# KiCad board Nanopipets.kicad_pcb (continued)
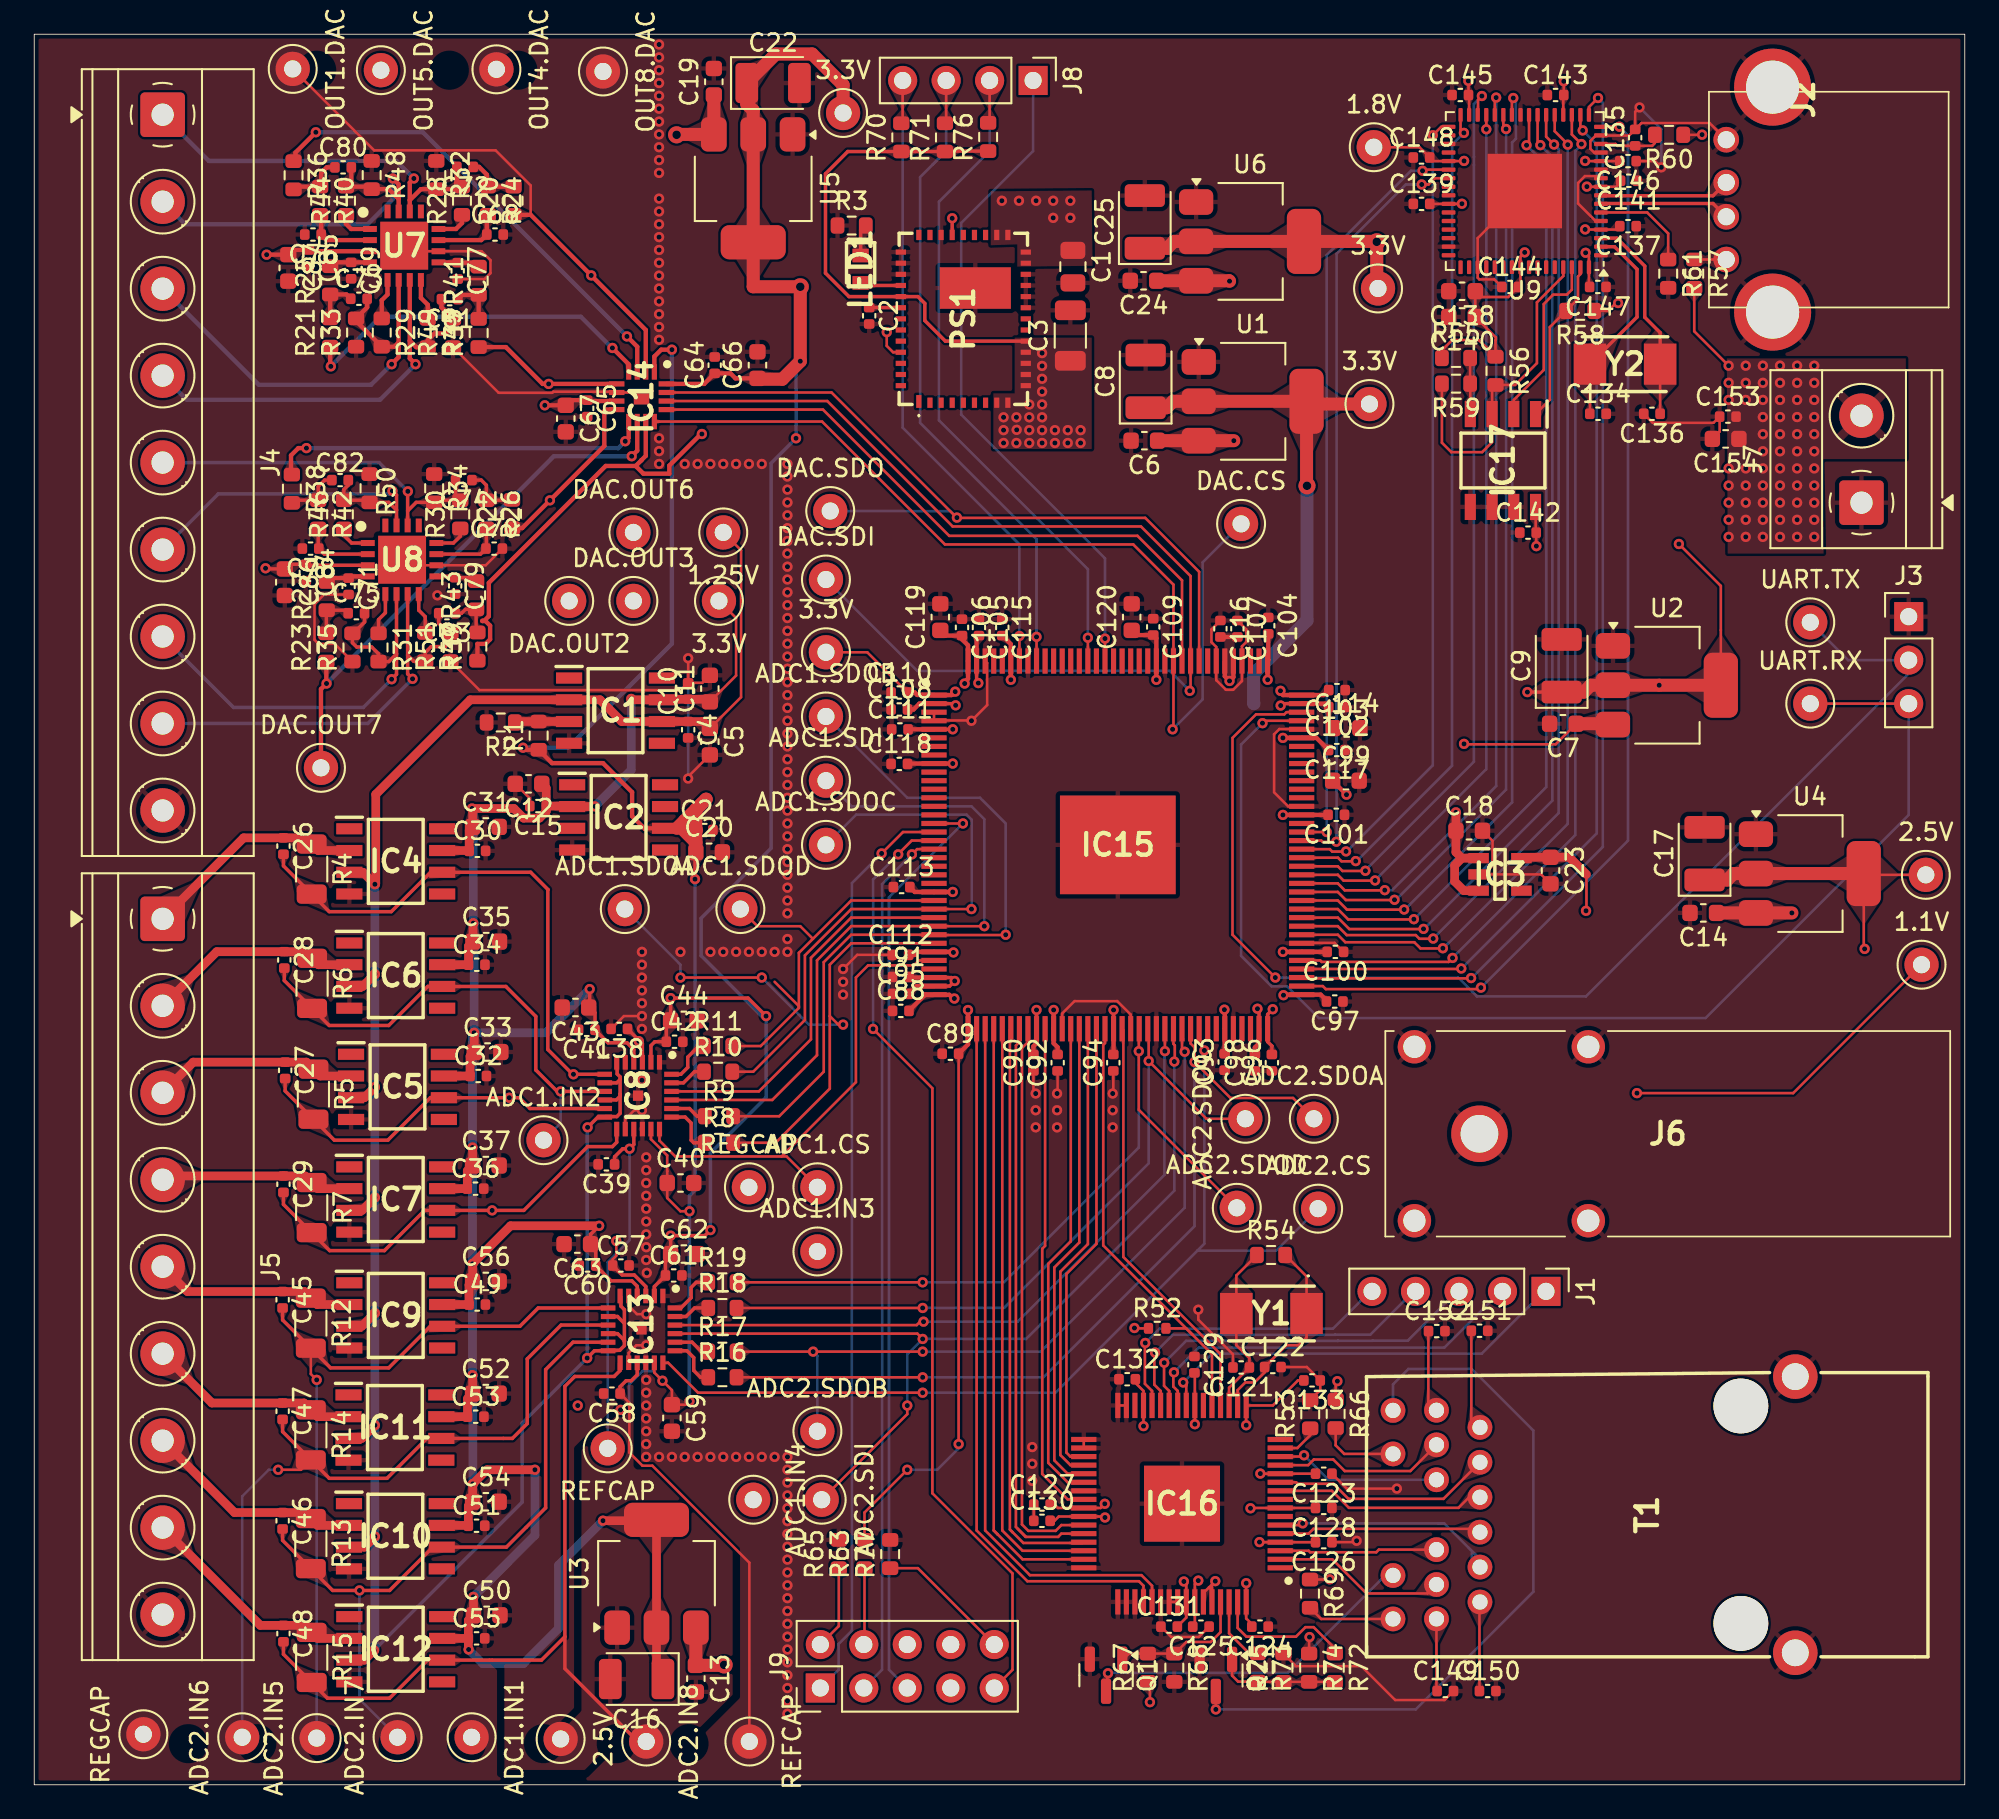
[diagram p0: board, top side]
## Placement (name value [footprint] x y rotation side) (continued)

## Library data of the parts
1.1V 1.8V 1.25V 2.5V 2.5V#2 3.3V 3.3V#2-3.3V#5 ADC1.CS ADC1.IN1-ADC1.IN4 ADC1.SDI ADC1.SDOA ADC1.SDOB ADC1.SDOC ADC1.SDOD ADC2.CS ADC2.IN5-ADC2.IN8 ADC2.SDI ADC2.SDOA ADC2.SDOB ADC2.SDOC ADC2.SDOD DAC.CS DAC.OUT2 DAC.OUT3 DAC.OUT6 DAC.OUT7 DAC.SDI DAC.SDO OUT1.DAC OUT4.DAC OUT5.DAC OUT8.DAC REFCAP REFCAP#2 REGCAP REGCAP#2 UART.RX UART.TX = -: Description: test point; ki_fp_filters: Pin* Test*
C1-C5 C10-C12 C15 C18 C20 C21 C23 C26-C87 C99 C114 C119-C122 C134-C136 C149-C152 = -: Description: Unpolarized capacitor; ki_fp_filters: C_*
C6 C7 C13 C14 C19 C24 = -: ki_fp_filters: C_*
C8 C9 C16 C17 C22 C25 = -: ki_fp_filters: CP_*
C88-C98 C100-C113 C115-C118 C123-C133 C137 C139 C141-C148 C153 = -: Fab Reference: GPC0603225-10-X7R; Footprint Revised: Yes; ki_fp_filters: C_*
C138 C140 C154 = -: Description: Polarized capacitor; ki_fp_filters: CP_*
IC1 IC4-IC7 IC9-IC12 = -: Datasheet: http://www.ti.com/lit/gpn/OPA827; Description: Low-Noise, High-Precision, JFET-Input Operational Amplifier; Height: 1.75; Manufacturer_Name: Texas Instruments; Mouser Part Number: 595-OPA827AIDR; Mouser Price/Stock: https://www.mouser.co.uk/ProductDetail/Texas-Instruments/OPA827AIDR?qs=ToK3%2FczOkx%252BfLFxatAoUKw%3D%3D; Arrow Price/Stock: https://www.arrow.com/en/products/opa827aidr/texas-instruments?region=nac
IC2 = -: Datasheet: https://www.analog.com/ADR4525/datasheet; Description: Maximum temperature coefficient (TCVOUT):  0.8 ppm/C (D grade 0C to 70C)  1 ppm/C (C grade 0C to 70C)  2 ppm/C (B grade 40C to +125C)  4 ppm/C (A grade 40C to +125C)  Output noise (0.1 Hz to 10 Hz):  1 uV p-p at VOUT of 2.048 V typical  Initial output voltage error:  B, C, D grade: +/-0.02% (maximum)  Input voltage range: 3 V to 15 V  Operating temperature:  A grade and B grade: 40C to +125C  C grade and D grade: 0C to +70C  Output current: +10 mA source/10 mA s; Height: 1.75; Manufacturer_Name: Analog Devices; Mouser Part Number: 584-ADR4525ARZ-R7; Mouser Price/Stock: https://www.mouser.co.uk/ProductDetail/Analog-Devices/ADR4525ARZ-R7?qs=WIvQP4zGanhcG5ZX%2FIaJAA%3D%3D; Arrow Price/Stock: https://www.arrow.com/en/products/adr4525arz-r7/analog-devices?utm_currency=USD&region=nac
IC3 = -: Datasheet: http://www.ti.com/lit/gpn/tlv703; Description: 300mA Low-IQ Low-Dropout (LDO) Regulator; Height: 1.45; Manufacturer_Name: Texas Instruments; Mouser Part Number: 595-TLV70311DBVR; Mouser Price/Stock: https://www.mouser.co.uk/ProductDetail/Texas-Instruments/TLV70311DBVR?qs=YCa%2FAAYMW01QIBcdppGpKA%3D%3D; Arrow Price/Stock: https://www.arrow.com/en/products/tlv70311dbvr/texas-instruments?region=nac
IC8 IC13 = -: Datasheet: https://www.analog.com/media/en/technical-documentation/data-sheets/ad7383-4-ad7384-4.pdf; Height: 0.6; Manufacturer_Name: Analog Devices; Mouser Part Number: 584-AD7383-4BCPZ; Mouser Price/Stock: https://www.mouser.co.uk/ProductDetail/Analog-Devices/AD7383-4BCPZ?qs=ulEaXIWI0c%252BXVIfh9KuC9g%3D%3D
IC14 = -: Datasheet: http://www.ti.com/lit/gpn/DAC80508; Height: 0.8; Manufacturer_Name: Texas Instruments; Mouser Part Number: 595-DAC80508ZCRTET; Mouser Price/Stock: https://www.mouser.co.uk/ProductDetail/Texas-Instruments/DAC80508ZCRTET?qs=lc2O%252BfHJPVb9t9ZIemdRSA%3D%3D; Arrow Price/Stock: https://www.arrow.com/en/products/dac80508zcrtet/texas-instruments?utm_currency=USD&region=nac
IC15 = -: Datasheet: https://www.intel.com/content/dam/www/programmable/us/en/pdfs/literature/dp/max-10/10m50sc.pdf; Height: 1.65; Manufacturer_Name: Intel; Mouser Part Number: 989-10M50SCE144C8G; Mouser Price/Stock: https://www.mouser.co.uk/ProductDetail/Intel-Altera/10M50SCE144C8G?qs=G%2FX6g08h60s2ThCT%2Fg69Zw%3D%3D; Arrow Price/Stock: https://www.arrow.com/en/products/10m50sce144c8g/intel
IC16 = -: Datasheet: http://www.ti.com/general/docs/lit/getliterature.tsp?genericPartNumber=DP83867IR&amp;&amp;fileType=pdf; Description: TEXAS INSTRUMENTS - DEL-DP83867IRPAPT - \u82AF\u7247, \u4EE5\u592A\u7F51\u63A7\u5236\u5668, 1GBPS, HTQFP-64; Height: 1.2; Manufacturer_Name: Texas Instruments
IC17 = -: Datasheet: http://www.st.com/st-web-ui/static/active/en/resource/technical/document/datasheet/CD00001142.pdf; Description: M93C46-WMN6TP, Serial EEPROM Memory 1kbit, Serial-Microwire, 200ns 2.5  5.5 V, 8-Pin SOIC; Height: 1.75; Manufacturer_Name: STMicroelectronics; Mouser Part Number: 511-M93C46-WMN6TP; Mouser Price/Stock: https://www.mouser.co.uk/ProductDetail/STMicroelectronics/M93C46-WMN6TP?qs=O4M3kN6RNVArPY6XuNLEiw%3D%3D; Arrow Price/Stock: https://www.arrow.com/en/products/m93c46-wmn6tp/stmicroelectronics?region=europe
J1 = -: Description: Generic connector, single row, 01x05, script generated; ki_fp_filters: Connector*:*_1x??_*
J2 = -: Description: USB Type A connector
J3 = -: Description: Generic connector, single row, 01x03, script generated; ki_fp_filters: Connector*:*_1x??_*
J4 J5 = -: Description: Generic screw terminal, single row, 01x09, script generated (kicad-library-utils/schlib/autogen/connector/); ki_fp_filters: TerminalBlock*:*
J6 = -: Datasheet: http://assets.edgenet.com/bc247afe-c6d3-4b5e-af4b-80e7f9cda64b; Description: Test Plugs & Test Jacks RT ANG 4mm MOUNTING SAFETY JACK PCB BLK; Height: 11.5; Manufacturer_Name: Pomona Electronics; Mouser Part Number: 565-73099-0; Mouser Price/Stock: https://www.mouser.co.uk/ProductDetail/Pomona-Electronics/73099-0?qs=B6kkDfuK7%2FDgwxUVoyhL3Q%3D%3D; Arrow Price/Stock: https://www.arrow.com/en/products/73099-0/pomona-electronics?region=nac
J7 = -: Description: Generic screw terminal, single row, 01x02, script generated (kicad-library-utils/schlib/autogen/connector/); ki_fp_filters: TerminalBlock*:*
J8 = -: Description: Generic connector, single row, 01x04, script generated; ki_fp_filters: USB*
J9 = -: Description: Generic connector, double row, 02x05, odd/even pin numbering scheme (row 1 odd numbers, row 2 even numbers), script generated (kicad-library-utils/schlib/autogen/connector/); ki_fp_filters: Connector*:*_2x??_*
LED1 = -: Datasheet: https://www.mouser.co.il/datasheet/2/216/APT1608SGC-32861.pdf; Height: 0.85; Manufacturer_Name: Kingbright; Mouser Part Number: 604-APT1608SGC; Mouser Price/Stock: https://www.mouser.co.uk/ProductDetail/Kingbright/APT1608SGC?qs=JpELLRhtMc0UatanJWL9tA%3D%3D; Arrow Price/Stock: https://www.arrow.com/en/products/apt1608sgc/kingbright?region=nac
PS1 = -: Datasheet: https://media.digikey.com/pdf/Data%20Sheets/Enpirion%20PDFs/en5335qi_00846.pdf; Description: Non-Isolated PoL Module DC DC Converter 1 Output 0.8 ~ 3.3V - - 3A 2.375V - 6.6V Input; Height: 1.95; Manufacturer_Name: Intel; Mouser Part Number: 884-EN5335QI; Mouser Price/Stock: https://www.mouser.co.uk/ProductDetail/Intel-Altera/EN5335QI?qs=rXqtSHp76q5fnGzzjaXI0Q%3D%3D
Q1 Q2 = -: Datasheet: https://www.onsemi.com/pdf/datasheet/pzt3904-d.pdf; Description: 0.2A Ic, 40V Vce, Small Signal NPN Transistor, SOT-23; ki_fp_filters: SOT?23*
R1-R52 R54 R57 R63 R65-R69 R72-R75 R77 = -: Description: Resistor; ki_fp_filters: R_*
R53 R55 R56 R58-R61 = -: Description: Resistor; tol: 1%; ki_fp_filters: R_*
R70 R71 R76 = -: ki_fp_filters: R_*
T1 = -: MF: Würth Elektronik; Description_1: 1 Port RJ45Through Hole 10/100/1000 Base-T, AutoMDIX; Package: None; Price: None; SnapEDA_Link: https://www.snapeda.com/parts/7499111221A/W%25C3%25BCrth+Elektronik+Midcom/view-part/?ref=snap; MP: 7499111221A; Availability: In Stock; Check_prices: https://www.snapeda.com/parts/7499111221A/W%25C3%25BCrth+Elektronik+Midcom/view-part/?ref=eda
U1 U3 U5 U6 = -: Datasheet: http://www.advanced-monolithic.com/pdf/ds1117.pdf; ki_fp_filters: SOT?223*TabPin2*
U2 = -: Datasheet: http://www.advanced-monolithic.com/pdf/ds1117.pdf; Description: 1A Low Dropout regulator, positive, 1.8V fixed output, SOT-223; ki_fp_filters: SOIC*3.9x8.7mm*P1.27mm*
U4 = -: Datasheet: http://www.advanced-monolithic.com/pdf/ds1117.pdf; Description: 1A Low Dropout regulator, positive, 2.5V fixed output, SOT-223; ki_fp_filters: SOIC*3.9x8.7mm*P1.27mm*
U7 U8 = -: Description: Precision Amplifiers Zero-drift (10uV, 0.001uV/C), MUX-friendly, low-noise, RRO, CMOS quad precision op amp (quad); ki_fp_filters: SOIC*3.9x8.7mm*P1.27mm*
U9 = -: Datasheet: https://www.ftdichip.com/Support/Documents/DataSheets/ICs/DS_FT2232H.pdf; Description: Hi Speed Double Channel USB UART/FIFO, QFN-64; ki_fp_filters: QFN*1EP*9x9mm*P0.5mm*
Y1 Y2 = -: Description: Two pin crystal; ki_fp_filters: Crystal*

## Footprints (pads in the part's own frame, mm; a bottom-side part is the same pattern mirrored in y, then rotated)
730990
  round 1.95 hole 1.3: 1(0,0) 2(0,-10.16) 3(10.16,-10.16) 4(10.16,0)
  round 3.3 hole 2.2: 5(3.8,-5.08)
7499111221A
  round 3.2 hole 3.2 unplated: (-11.45,-15.24) (1.25,-15.24)
  round 1.446 hole 0.89: 1(0,0) 2(-2.04,0) 3(-4.08,0) 4(-6.12,0) 5(-8.16,0) 6(-10.2,0) 7(1,2.54) 8(-1.02,2.54) 9(-3.06,2.54) 10(-7.14,2.54) 11(-9.18,2.54) 12(-11.185,2.54) 13(0.99,5.08) 14(-1.55,5.08) 15(-8.65,5.08) 16(-11.19,5.08)
  round 2.6 hole 1.57: 17(2.965,-18.42) 18(-13.165,-18.42)
ABM3
  rect 1.9x2.4 smd: 1(-2.05,0) 2(2.05,0)
C_0402_1005Metric
  rrect 0.56x0.62 smd: 1(-0.48,0) 2(0.48,0)
C_0603_1608Metric
  rrect 0.9x0.95 smd: 1(-0.775,0) 2(0.775,0)
C_0805_2012Metric
  rrect 1x1.45 smd: 1(-0.95,0) 2(0.95,0)
C_1206_3216Metric
  rrect 1.15x1.8 smd: 1(-1.475,0) 2(1.475,0)
CP_EIA-3528-21_Kemet-B
  rrect 1.325x2.35 smd: 1(-1.538,0) 2(1.538,0)
EN5335QI
  rect 0.75x0.3 smd: 1(-4.825,2.6)
  rect 0.6x0.3 smd: 2(-4.9,1.95) 3(-4.9,1.3) 4(-4.9,0.65) 5(-4.9,0) 6(-4.9,-0.65) 7(-4.9,-1.3) 8(-4.9,-1.95) 9(-4.9,-2.6) 23(4.9,-2.6) 24(4.9,-1.95) 25(4.9,-1.3) 26(4.9,-0.65) 27(4.9,0) 28(4.9,0.65) 29(4.9,1.3) 30(4.9,1.95) 31(4.9,2.6)
  rect 0.3x0.6 smd: 10(-3.9,-3.65) 11(-3.25,-3.65) 12(-2.6,-3.65) 13(-1.95,-3.65) 14(-1.3,-3.65) 15(-0.65,-3.65) 16(0,-3.65) 17(0.65,-3.65) 18(1.3,-3.65) 19(1.95,-3.65) 20(2.6,-3.65) 21(3.25,-3.65) 22(3.9,-3.65) 32(3.9,3.65) 33(3.25,3.65) 34(2.6,3.65) 35(1.95,3.65) 36(1.3,3.65) 37(0.65,3.65) 38(0,3.65) 39(-0.65,3.65) 40(-1.3,3.65) 41(-1.95,3.65) 42(-2.6,3.65) 43(-3.25,3.65) 44(-3.9,3.65)
  rect 2.425x4.15 smd: 45(1.8,-0.7)
LEDC1608X85N
  rect 0.8x0.95 smd: 1(-0.8,0) 2(0.8,0)
PinHeader_1x03_P2.54mm_Vertical
  rect 1.7x1.7 hole 1: 1(0,0)
  round 1.7 hole 1: 2(0,-2.54) 3(0,-5.08)
PinHeader_1x04_P2.54mm_Vertical
  rect 1.7x1.7 hole 1: 1(0,0)
  oval 1.7x1.7 hole 1: 2(0,-2.54) 3(0,-5.08) 4(0,-7.62)
PinHeader_1x05_P2.54mm_Vertical
  rect 1.7x1.7 hole 1: 1(0,0)
  oval 1.7x1.7 hole 1: 2(0,-2.54) 3(0,-5.08) 4(0,-7.62) 5(0,-10.16)
PinHeader_2x05_P2.54mm_Vertical
  rect 1.7x1.7 hole 1: 1(0,0)
  round 1.7 hole 1: 2(2.54,0) 3(0,-2.54) 4(2.54,-2.54) 5(0,-5.08) 6(2.54,-5.08) 7(0,-7.62) 8(2.54,-7.62) 9(0,-10.16) 10(2.54,-10.16)
QFN50P300X300X80-17N-D
  rect 0.9x0.3 smd: 1(-1.45,0.75) 2(-1.45,0.25) 3(-1.45,-0.25) 4(-1.45,-0.75) 9(1.45,-0.75) 10(1.45,-0.25) 11(1.45,0.25) 12(1.45,0.75)
  rect 0.3x0.9 smd: 5(-0.75,-1.45) 6(-0.25,-1.45) 7(0.25,-1.45) 8(0.75,-1.45) 13(0.75,1.45) 14(0.25,1.45) 15(-0.25,1.45) 16(-0.75,1.45)
  rect 0.9x0.9 smd: 17(0,0)
QFN50P400X400X60-25N-D
  rect 0.85x0.3 smd: 1(-1.95,1.25) 2(-1.95,0.75) 3(-1.95,0.25) 4(-1.95,-0.25) 5(-1.95,-0.75) 6(-1.95,-1.25) 13(1.95,-1.25) 14(1.95,-0.75) 15(1.95,-0.25) 16(1.95,0.25) 17(1.95,0.75) 18(1.95,1.25)
  rect 0.3x0.85 smd: 7(-1.25,-1.95) 8(-0.75,-1.95) 9(-0.25,-1.95) 10(0.25,-1.95) 11(0.75,-1.95) 12(1.25,-1.95) 19(1.25,1.95) 20(0.75,1.95) 21(0.25,1.95) 22(-0.25,1.95) 23(-0.75,1.95) 24(-1.25,1.95)
  rect 0.6x0.6 smd: 25(0,0)
QFN65P400X400X80-17N-D
  rect 0.8x0.35 smd: 1(-2,0.975) 2(-2,0.325) 3(-2,-0.325) 4(-2,-0.975) 9(2,-0.975) 10(2,-0.325) 11(2,0.325) 12(2,0.975)
  rect 0.35x0.8 smd: 5(-0.975,-2) 6(-0.325,-2) 7(0.325,-2) 8(0.975,-2) 13(0.975,2) 14(0.325,2) 15(-0.325,2) 16(-0.975,2)
  rect 2.8x2.8 smd: 17(0,0)
QFN-64-1EP_9x9mm_P0.5mm_EP4.35x4.35mm
  rrect 1.17x1.17 smd: (-1.45,1.45) (-1.45,0) (-1.45,-1.45) (0,1.45) (0,0) (0,-1.45) (1.45,1.45) (1.45,0) (1.45,-1.45)
  rrect 0.8x0.25 smd: 1(-4.45,3.75) 2(-4.45,3.25) 3(-4.45,2.75) 4(-4.45,2.25) 5(-4.45,1.75) 6(-4.45,1.25) 7(-4.45,0.75) 8(-4.45,0.25) 9(-4.45,-0.25) 10(-4.45,-0.75) 11(-4.45,-1.25) 12(-4.45,-1.75) 13(-4.45,-2.25) 14(-4.45,-2.75) 15(-4.45,-3.25) 16(-4.45,-3.75) 33(4.45,-3.75) 34(4.45,-3.25) 35(4.45,-2.75) 36(4.45,-2.25) 37(4.45,-1.75) 38(4.45,-1.25) 39(4.45,-0.75) 40(4.45,-0.25) 41(4.45,0.25) 42(4.45,0.75) 43(4.45,1.25) 44(4.45,1.75) 45(4.45,2.25) 46(4.45,2.75) 47(4.45,3.25) 48(4.45,3.75)
  rrect 0.25x0.8 smd: 17(-3.75,-4.45) 18(-3.25,-4.45) 19(-2.75,-4.45) 20(-2.25,-4.45) 21(-1.75,-4.45) 22(-1.25,-4.45) 23(-0.75,-4.45) 24(-0.25,-4.45) 25(0.25,-4.45) 26(0.75,-4.45) 27(1.25,-4.45) 28(1.75,-4.45) 29(2.25,-4.45) 30(2.75,-4.45) 31(3.25,-4.45) 32(3.75,-4.45) 49(3.75,4.45) 50(3.25,4.45) 51(2.75,4.45) 52(2.25,4.45) 53(1.75,4.45) 54(1.25,4.45) 55(0.75,4.45) 56(0.25,4.45) 57(-0.25,4.45) 58(-0.75,4.45) 59(-1.25,4.45) 60(-1.75,4.45) 61(-2.25,4.45) 62(-2.75,4.45) 63(-3.25,4.45) 64(-3.75,4.45)
  rect 4.35x4.35 smd: 65(0,0)
QFP50P1200X1200X120-65N
  rect 1.475x0.3 smd: 1(-5.738,3.75) 2(-5.738,3.25) 3(-5.738,2.75) 4(-5.738,2.25) 5(-5.738,1.75) 6(-5.738,1.25) 7(-5.738,0.75) 8(-5.738,0.25) 9(-5.738,-0.25) 10(-5.738,-0.75) 11(-5.738,-1.25) 12(-5.738,-1.75) 13(-5.738,-2.25) 14(-5.738,-2.75) 15(-5.738,-3.25) 16(-5.738,-3.75) 33(5.738,-3.75) 34(5.738,-3.25) 35(5.738,-2.75) 36(5.738,-2.25) 37(5.738,-1.75) 38(5.738,-1.25) 39(5.738,-0.75) 40(5.738,-0.25) 41(5.738,0.25) 42(5.738,0.75) 43(5.738,1.25) 44(5.738,1.75) 45(5.738,2.25) 46(5.738,2.75) 47(5.738,3.25) 48(5.738,3.75)
  rect 0.3x1.475 smd: 17(-3.75,-5.738) 18(-3.25,-5.738) 19(-2.75,-5.738) 20(-2.25,-5.738) 21(-1.75,-5.738) 22(-1.25,-5.738) 23(-0.75,-5.738) 24(-0.25,-5.738) 25(0.25,-5.738) 26(0.75,-5.738) 27(1.25,-5.738) 28(1.75,-5.738) 29(2.25,-5.738) 30(2.75,-5.738) 31(3.25,-5.738) 32(3.75,-5.738) 49(3.75,5.738) 50(3.25,5.738) 51(2.75,5.738) 52(2.25,5.738) 53(1.75,5.738) 54(1.25,5.738) 55(0.75,5.738) 56(0.25,5.738) 57(-0.25,5.738) 58(-0.75,5.738) 59(-1.25,5.738) 60(-1.75,5.738) 61(-2.25,5.738) 62(-2.75,5.738) 63(-3.25,5.738) 64(-3.75,5.738)
  rect 4.44x4.44 smd: 65(0,0)
QFP50P2200X2200X165-145N
  rect 1.475x0.3 smd: 1(-10.738,8.75) 2(-10.738,8.25) 3(-10.738,7.75) 4(-10.738,7.25) 5(-10.738,6.75) 6(-10.738,6.25) 7(-10.738,5.75) 8(-10.738,5.25) 9(-10.738,4.75) 10(-10.738,4.25) 11(-10.738,3.75) 12(-10.738,3.25) 13(-10.738,2.75) 14(-10.738,2.25) 15(-10.738,1.75) 16(-10.738,1.25) 17(-10.738,0.75) 18(-10.738,0.25) 19(-10.738,-0.25) 20(-10.738,-0.75) 21(-10.738,-1.25) 22(-10.738,-1.75) 23(-10.738,-2.25) 24(-10.738,-2.75) 25(-10.738,-3.25) 26(-10.738,-3.75) 27(-10.738,-4.25) 28(-10.738,-4.75) 29(-10.738,-5.25) 30(-10.738,-5.75) 31(-10.738,-6.25) 32(-10.738,-6.75) 33(-10.738,-7.25) 34(-10.738,-7.75) 35(-10.738,-8.25) 36(-10.738,-8.75) 73(10.738,-8.75) 74(10.738,-8.25) 75(10.738,-7.75) 76(10.738,-7.25) 77(10.738,-6.75) 78(10.738,-6.25) 79(10.738,-5.75) 80(10.738,-5.25) 81(10.738,-4.75) 82(10.738,-4.25) 83(10.738,-3.75) 84(10.738,-3.25) 85(10.738,-2.75) 86(10.738,-2.25) 87(10.738,-1.75) 88(10.738,-1.25) 89(10.738,-0.75) 90(10.738,-0.25) 91(10.738,0.25) 92(10.738,0.75) 93(10.738,1.25) 94(10.738,1.75) 95(10.738,2.25) 96(10.738,2.75) 97(10.738,3.25) 98(10.738,3.75) 99(10.738,4.25) 100(10.738,4.75) 101(10.738,5.25) 102(10.738,5.75) 103(10.738,6.25) 104(10.738,6.75) 105(10.738,7.25) 106(10.738,7.75) 107(10.738,8.25) 108(10.738,8.75)
  rect 0.3x1.475 smd: 37(-8.75,-10.738) 38(-8.25,-10.738) 39(-7.75,-10.738) 40(-7.25,-10.738) 41(-6.75,-10.738) 42(-6.25,-10.738) 43(-5.75,-10.738) 44(-5.25,-10.738) 45(-4.75,-10.738) 46(-4.25,-10.738) 47(-3.75,-10.738) 48(-3.25,-10.738) 49(-2.75,-10.738) 50(-2.25,-10.738) 51(-1.75,-10.738) 52(-1.25,-10.738) 53(-0.75,-10.738) 54(-0.25,-10.738) 55(0.25,-10.738) 56(0.75,-10.738) 57(1.25,-10.738) 58(1.75,-10.738) 59(2.25,-10.738) 60(2.75,-10.738) 61(3.25,-10.738) 62(3.75,-10.738) 63(4.25,-10.738) 64(4.75,-10.738) 65(5.25,-10.738) 66(5.75,-10.738) 67(6.25,-10.738) 68(6.75,-10.738) 69(7.25,-10.738) 70(7.75,-10.738) 71(8.25,-10.738) 72(8.75,-10.738) 109(8.75,10.738) 110(8.25,10.738) 111(7.75,10.738) 112(7.25,10.738) 113(6.75,10.738) 114(6.25,10.738) 115(5.75,10.738) 116(5.25,10.738) 117(4.75,10.738) 118(4.25,10.738) 119(3.75,10.738) 120(3.25,10.738) 121(2.75,10.738) 122(2.25,10.738) 123(1.75,10.738) 124(1.25,10.738) 125(0.75,10.738) 126(0.25,10.738) 127(-0.25,10.738) 128(-0.75,10.738) 129(-1.25,10.738) 130(-1.75,10.738) 131(-2.25,10.738) 132(-2.75,10.738) 133(-3.25,10.738) 134(-3.75,10.738) 135(-4.25,10.738) 136(-4.75,10.738) 137(-5.25,10.738) 138(-5.75,10.738) 139(-6.25,10.738) 140(-6.75,10.738) 141(-7.25,10.738) 142(-7.75,10.738) 143(-8.25,10.738) 144(-8.75,10.738)
  rect 6.76x5.765 smd: 145(0,0)
R_0402_1005Metric
  rrect 0.54x0.64 smd: 1(-0.51,0) 2(0.51,0)
R_0603_1608Metric
  rrect 0.8x0.95 smd: 1(-0.825,0) 2(0.825,0)
R_1206_3216Metric
  rrect 1.125x1.75 smd: 1(-1.462,0) 2(1.462,0)
SOIC127P600X175-8N
  rect 1.528x0.65 smd: 1(-2.711,1.905) 2(-2.711,0.635) 3(-2.711,-0.635) 4(-2.711,-1.905) 5(2.711,-1.905) 6(2.711,-0.635) 7(2.711,0.635) 8(2.711,1.905)
SOT95P280X145-5N
  rect 1.2x0.6 smd: 1(-1.25,0.95) 2(-1.25,0) 3(-1.25,-0.95) 4(1.25,-0.95) 5(1.25,0.95)
SOT-23
  rrect 1.475x0.6 smd: 1(-0.938,0.95) 2(-0.938,-0.95) 3(0.938,0)
SOT-223-3_TabPin2
  rrect 2x1.5 smd: 1(-3.15,2.3) 2(-3.15,0) 3(-3.15,-2.3)
  rrect 2x3.8 smd: 2(3.15,0)
TECONN-4POS-USB
  round 1.5 hole 1: 1(0,0) 2(2.5,0) 3(4.5,0) 4(7,0)
  round 4.5 hole 3.1: 5(-3.07,-2.71) 5(10.07,-2.71)
TerminalBlock_Phoenix_MKDS-1,5-2-5.08_1x02_P5.08mm_Horizontal
  rrect 2.6x2.6 hole 1.3: 1(0,0)
  round 2.6 hole 1.3: 2(5.08,0)
TerminalBlock_Phoenix_MKDS-1,5-9-5.08_1x09_P5.08mm_Horizontal
  rrect 2.6x2.6 hole 1.3: 1(0,0)
  round 2.6 hole 1.3: 2(5.08,0) 3(10.16,0) 4(15.24,0) 5(20.32,0) 6(25.4,0) 7(30.48,0) 8(35.56,0) 9(40.64,0)
TestPoint_Keystone_5000-5004_Miniature
  round 2 hole 1: 1(0,0)

## Nets
2.5V_REF: 2.5V.1 C20.1 C21.1 C40.1 C59.1 IC2.6 IC8.17 IC13.17 IC14.1 R1.1
+1.1V_ETH: 1.1V.1 C23.1 C125.2 C128.2 C130.2 C132.2 IC3.5 IC16.8 IC16.29 IC16.42 IC16.58
+1.8VD: 1.8V.1 C9.1 C90.2 C94.2 C99.1 C124.2 C127.2 C129.2 C131.2 C133.2 C146.2 C147.2 C148.2 IC15.45 IC15.54 IC16.17 IC16.23 IC16.41 IC16.57 IC16.59 IC16.60 IC16.64 R52.1 R67.1 R74.1 U2.2 U9.12 U9.37 U9.64
+1.25V_VCOM: 1.25V.1 C4.1 C5.1 IC1.2 IC1.6 IC4.3 IC5.3 IC6.3 IC7.3 IC8.6 IC8.8 IC8.10 IC8.12 IC9.3 IC10.3 IC11.3 IC12.3 IC13.6 IC13.8 IC13.10 IC13.12
+2.5V_ETH: 2.5V#2.1 C17.1 C123.2 C126.2 IC16.4 IC16.12 R66.1 R69.1 U4.2
+3.3V_USB: 3.3V.1 C25.1 C137.2 C138.1 C139.2 C140.1 C141.2 C142.2 C143.2 C144.2 C145.2 IC17.8 R55.1 R56.1 R58.1 R60.1 U6.2 U9.4 U9.9 U9.20 U9.31 U9.42 U9.56
+3.3VA_ADC: 3.3V#2.1 C10.1 C11.1 C12.1 C15.1 C16.1 C30.1 C31.1 C32.1 C33.1 C34.1 C35.1 C36.1 C37.1 C41.1 C43.1 C49.1 C50.1 C51.1 C52.1 C53.1 C54.1 C55.1 C56.1 C60.1 C63.1 C65.1 C67.1 IC1.7 IC2.2 IC4.7 IC5.7 IC6.7 IC7.7 IC8.4 IC9.7 IC10.7 IC11.7 IC12.7 IC13.4 IC14.7 U3.2
+3.3VCCA: 3.3V#5.1 C8.1 C91.2 C95.2 C98.2 C102.2 C105.2 C108.2 C111.2 C114.1 IC15.2 IC15.5 IC15.34 IC15.35 IC15.71 IC15.107 IC15.143 U1.2
+3.3VD: 3.3V#3.1 C3.1 C7.1 C18.1 C88.2 C89.2 C92.2 C93.2 C96.2 C97.2 C100.2 C101.2 C103.2 C104.2 C106.2 C107.2 C109.2 C110.2 C112.2 C113.2 C115.2 C116.2 C117.2 C118.2 C119.1 C120.1 IC3.1 IC3.3 IC15.1 IC15.9 IC15.24 IC15.31 IC15.36 IC15.37 IC15.47 IC15.67 IC15.72 IC15.73 IC15.78 IC15.94 IC15.103 IC15.108 IC15.109 IC15.113 IC15.114 IC15.122 IC15.139 IC15.144 PS1.8 PS1.9 PS1.10 PS1.11 PS1.12 PS1.13 PS1.14 PS1.36 R63.2 R70.1 R71.1 R76.1 U2.3
+3.3VD_ADC: 3.3V#4.1 C22.1 C42.1 C44.1 C61.1 C62.1 C64.1 C66.1 IC8.2 IC13.2 IC14.16 U5.2
+5V: C1.1 C6.1 C13.1 C14.1 C19.1 C24.1 C84.1 C85.1 C86.1 C87.1 C153.2 C154.1 J7.2 PS1.21 PS1.22 PS1.23 PS1.24 PS1.28 PS1.41 R57.2 U1.3 U3.3 U4.3 U5.3 U6.3 U7.3 U8.3
GND: C1.2 C2.2 C3.2 C4.2 C5.2 C6.2 C7.2 C8.2 C9.2 C10.2 C11.2 C12.2 C13.2 C14.2 C15.2 C16.2 C17.2 C18.2 C19.2 C20.2 C21.2 C22.2 C23.2 C24.2 C25.2 C30.2 C31.2 C32.2 C33.2 C34.2 C35.2 C36.2 C37.2 C38.2 C39.2 C40.2 C41.2 C42.2 C43.2 C44.2 C49.2 C50.2 C51.2 C52.2 C53.2 C54.2 C55.2 C56.2 C57.2 C58.2 C59.2 C60.2 C61.2 C62.2 C63.2 C64.2 C65.2 C66.2 C67.2 C68.2 C69.2 C70.2 C71.2 C76.2 C77.2 C78.2 C79.2 C84.2 C85.2 C86.2 C87.2 C88.1 C89.1 C90.1 C91.1 C92.1 C93.1 C94.1 C95.1 C96.1 C97.1 C98.1 C99.2 C100.1 C101.1 C102.1 C103.1 C104.1 C105.1 C106.1 C107.1 C108.1 C109.1 C110.1 C111.1 C112.1 C113.1 C114.2 C115.1 C116.1 C117.1 C118.1 C119.2 C120.2 C121.2 C122.2 C123.1 C124.1 C125.1 C126.1 C127.1 C128.1 C129.1 C130.1 C131.1 C132.1 C133.1 C134.2 C135.2 C136.2 C137.1 C138.2 C139.1 C140.2 C141.1 C142.1 C143.1 C144.1 C145.1 C146.1 C147.1 C148.1 C149.2 C150.2 C151.2 C152.2 C153.1 C154.2 IC1.4 IC2.4 IC3.2 IC4.4 IC5.4 IC6.4 IC7.4 IC8.1 IC8.5 IC8.14 IC8.16 IC8.25 IC9.4 IC10.4 IC11.4 IC12.4 IC13.1 IC13.5 IC13.14 IC13.16 IC13.25 IC14.6 IC14.17 IC15.3 IC15.4 IC15.48 IC15.56 IC15.59 IC15.68 IC15.79 IC15.95 IC15.104 IC15.112 IC15.115 IC15.121 IC15.137 IC15.142 IC15.145 IC16.31 IC16.32 IC16.33 IC16.34 IC16.39 IC16.48 IC16.49 IC16.50 IC16.51 IC16.54 IC16.55 IC16.56 IC16.65 IC17.5 IC17.6 IC17.7 J2.4 J2.5 J3.1 J4.9 J5.9 J6.1 J6.2 J6.3 J6.4 J6.5 J7.1 PS1.17 PS1.18 PS1.19 PS1.20 PS1.29 PS1.32 PS1.33 PS1.34 PS1.45 Q1.2 Q2.2 R2.2 R3.1 R32.1 R33.1 R34.1 R35.1 R48.1 R49.1 R50.1 R51.1 R53.2 R61.2 R65.2 R68.2 R75.2 R77.2 T1.17 T1.18 U1.1 U2.1 U3.1 U4.1 U5.1 U6.1 U7.10 U7.17 U8.10 U8.17 U9.1 U9.5 U9.10 U9.11 U9.13 U9.15 U9.25 U9.35 U9.47 U9.51 U9.65
/ADC1/ADC1.CS: ADC1.CS.1 IC8.18 IC15.32
/ADC1/ADC1.SCLK: IC8.22 IC15.27
/ADC1/ADC1.SDOA: ADC1.SDOA.1 IC15.30 R8.2
/ADC1/ADC1.SDOB: ADC1.SDOB.1 IC15.29 R9.2
/ADC1/ADC1.SDOC: ADC1.SDOC.1 IC15.26 R10.2
/ADC1/ADC1.SDOD: ADC1.SDOD.1 IC15.25 R11.2
/ADC1/ADC.SDI: ADC1.SDI.1 IC8.21 IC15.28
/ADC1/IN1: ADC1.IN1.1 C26.2 IC4.6 IC8.7 R4.2
/ADC1/IN2: ADC1.IN2.1 C28.2 IC6.6 IC8.9 R6.2
/ADC1/IN3: ADC1.IN3.1 C27.2 IC5.6 IC8.11 R5.2
/ADC1/IN4: ADC1.IN4.1 C29.2 IC7.6 IC8.13 R7.2
/ADC2/ADC2.CS: ADC2.CS.1 IC13.18 IC15.64
/ADC2/ADC2.SCLK: IC13.22 IC15.60
/ADC2/ADC2.SDI: ADC2.SDI.1 IC13.21 IC15.61
/ADC2/ADC2.SDOA: ADC2.SDOA.1 IC15.63 R16.2
/ADC2/ADC2.SDOB: ADC2.SDOB.1 IC15.62 R17.2
/ADC2/ADC2.SDOC: ADC2.SDOC.1 IC15.58 R18.2
/ADC2/ADC2.SDOD: ADC2.SDOD.1 IC15.57 R19.2
/ADC2/IN5: ADC2.IN5.1 C45.2 IC9.6 IC13.7 R12.2
/ADC2/IN6: ADC2.IN6.1 C47.2 IC11.6 IC13.9 R14.2
/ADC2/IN7: ADC2.IN7.1 C46.2 IC10.6 IC13.11 R13.2
/ADC2/IN8: ADC2.IN8.1 C48.2 IC12.6 IC13.13 R15.2
/Connectors/CONF_DONE: IC15.138 J8.4 R70.2
/Connectors/CONFIG_SEL: IC15.128 J8.1
/Connectors/IN1: C26.1 IC4.2 J5.1 R4.1
/Connectors/IN2: C28.1 IC6.2 J5.2 R6.1
/Connectors/IN3: C27.1 IC5.2 J5.3 R5.1
/Connectors/IN4: C29.1 IC7.2 J5.4 R7.1
/Connectors/IN5: C45.1 IC9.2 J5.5 R12.1
/Connectors/IN6: C47.1 IC11.2 J5.6 R14.1
/Connectors/IN7: C46.1 IC10.2 J5.7 R13.1
/Connectors/IN8: C48.1 IC12.2 J5.8 R15.1
/Connectors/JTAG.EN: IC15.15
/Connectors/JTAG.TCK: IC15.17 J9.1
/Connectors/JTAG.TDI: IC15.18 J9.9
/Connectors/JTAG.TDO: IC15.19 J9.3
/Connectors/JTAG.TMS: IC15.16 J9.5
/Connectors/LED0: IC16.63 R72.1
/Connectors/LED1: IC16.62 R73.1
/Connectors/LED2: IC16.61 Q1.1 R67.2 R68.1
/Connectors/NCONFIG: IC15.130 J8.2 R76.2
/Connectors/NSTATUS: IC15.136 J8.3 R71.2
/Connectors/OUT1: C72.2 J4.1 R28.2 R32.2 U7.14
/Connectors/OUT2: C80.2 J4.2 R44.2 R48.2 U7.15
/Connectors/OUT3: C73.2 J4.3 R29.2 R33.2 U7.6
/Connectors/OUT4: C81.2 J4.4 R45.2 R49.2 U7.7
/Connectors/OUT5: C74.2 J4.5 R30.2 R34.2 U8.14
/Connectors/OUT6: C82.2 J4.6 R46.2 R50.2 U8.15
/Connectors/OUT7: C75.2 J4.7 R31.2 R35.2 U8.6
/Connectors/OUT8: C83.2 J4.8 R47.2 R51.2 U8.7
/Connectors/TD_M_A: IC16.3 T1.10
/Connectors/TD_M_B: IC16.6 T1.5
/Connectors/TD_M_C: IC16.11 T1.2
/Connectors/TD_M_D: IC16.14 T1.9
/Connectors/TD_P_A: IC16.2 T1.11
/Connectors/TD_P_B: IC16.5 T1.4
/Connectors/TD_P_C: IC16.10 T1.3
/Connectors/TD_P_D: IC16.13 T1.8
/Connectors/UART.RX: IC15.105 J3.3 UART.RX.1
/Connectors/UART.TX: IC15.106 J3.2 UART.TX.1
/DAC/DAC.CS: DAC.CS.1 IC14.12 IC15.120
/DAC/DAC.SCLK: IC14.13 IC15.119
/DAC/DAC.SDI: DAC.SDI.1 IC14.14 IC15.118
/DAC/DAC.SDO: DAC.SDO.1 IC14.15 IC15.117
/DAC/OUT1: IC14.2 OUT1.DAC.1 R20.1
/DAC/OUT2: DAC.OUT2.1 IC14.3 R36.1
/DAC/OUT3: DAC.OUT3.1 IC14.4 R21.1
/DAC/OUT4: IC14.5 OUT4.DAC.1 R37.1
/DAC/OUT5: IC14.8 OUT5.DAC.1 R22.1
/DAC/OUT6: DAC.OUT6.1 IC14.9 R38.1
/DAC/OUT7: DAC.OUT7.1 IC14.10 R23.1
/DAC/OUT8: IC14.11 OUT8.DAC.1 R39.1
/Ethernet/Ethernet.GTX_CLK: IC15.46 IC16.40
/Ethernet/Ethernet.MDC: IC15.55 IC16.20
/Ethernet/Ethernet.MDIO: IC15.53 IC16.21 R52.2
/Ethernet/Ethernet.RX0: IC15.43 IC16.44
/Ethernet/Ethernet.RX1: IC15.42 IC16.45
/Ethernet/Ethernet.RX2: IC15.41 IC16.46
/Ethernet/Ethernet.RX3: IC15.40 IC16.47
/Ethernet/Ethernet.RX_CLK: IC15.44 IC16.43
/Ethernet/Ethernet.RX_CTRL: IC15.39 IC16.53
/Ethernet/Ethernet.TX0: IC15.49 IC16.38
/Ethernet/Ethernet.TX1: IC15.50 IC16.37
/Ethernet/Ethernet.TX2: IC15.51 IC16.36
/Ethernet/Ethernet.TX3: IC15.52 IC16.35
/Ethernet/Ethernet.TX_CTRL: IC15.38 IC16.52
/FPGA/USB.CLKOUT: IC15.89 U9.32
/FPGA/USB.D0: IC15.74 U9.16
/FPGA/USB.D1: IC15.75 U9.17
/FPGA/USB.D2: IC15.76 U9.18
/FPGA/USB.D3: IC15.77 U9.19
/FPGA/USB.D4: IC15.80 U9.21
/FPGA/USB.D5: IC15.81 U9.22
/FPGA/USB.D6: IC15.82 U9.23
/FPGA/USB.D7: IC15.83 U9.24
/FPGA/USB.OE#: IC15.90 U9.33
/FPGA/USB.RD#: IC15.86 U9.28
/FPGA/USB.RXD: IC15.91 U9.39
/FPGA/USB.RXF#: IC15.84 U9.26
/FPGA/USB.SWIUA: IC15.88 U9.30
/FPGA/USB.TXD: IC15.92 U9.38
/FPGA/USB.TXE#: IC15.85 U9.27
/FPGA/USB.WR#: IC15.87 U9.29
/USB/D+: J2.3 U9.8
/USB/D-: J2.2 U9.7
/USB/OSCN: C136.1 U9.3 Y2.2
/USB/OSCP: C134.1 U9.2 Y2.1
Net-(C72-Pad1): C72.1 R20.2 R24.1
Net-(C73-Pad1): C73.1 R21.2 R25.1
Net-(C74-Pad1): C74.1 R22.2 R26.1
Net-(C75-Pad1): C75.1 R23.2 R27.1
Net-(C80-Pad1): C80.1 R36.2 R40.1
Net-(C81-Pad1): C81.1 R37.2 R41.1
Net-(C82-Pad1): C82.1 R38.2 R42.1
Net-(C83-Pad1): C83.1 R39.2 R43.1
Net-(IC1-+): IC1.3 R1.2 R2.1
Net-(IC8-REFCAP): C39.1 IC8.15 REFCAP.1
Net-(IC8-REGCAP): C38.1 IC8.3 REGCAP#2.1
Net-(IC8-SDOA): IC8.19 R8.1
Net-(IC8-SDOB): IC8.20 R9.1
Net-(IC8-SDOC): IC8.23 R10.1
Net-(IC8-SDOD/~{ALERT}): IC8.24 R11.1
Net-(IC13-REFCAP): C58.1 IC13.15 REFCAP#2.1
Net-(IC13-REGCAP): C57.1 IC13.3 REGCAP.1
Net-(IC13-SDOA): IC13.19 R16.1
Net-(IC13-SDOB): IC13.20 R17.1
Net-(IC13-SDOC): IC13.23 R18.1
Net-(IC13-SDOD/~{ALERT}): IC13.24 R19.1
Net-(IC16-JTAG_CLK): IC16.25 J1.2
Net-(IC16-JTAG_TDI): IC16.28 J1.5
Net-(IC16-JTAG_TDO): IC16.26 J1.3
Net-(IC16-JTAG_TMS): IC16.27 J1.4
Net-(IC16-JTAG_TRSTN): IC16.24 J1.1
Net-(IC16-RBIAS): IC16.15 R53.1
Net-(IC16-X_I): C121.1 IC16.19 R54.1 Y1.2
Net-(IC16-X_O): C122.1 IC16.18 R54.2 Y1.1
Net-(IC17-C): IC17.2 U9.62
Net-(IC17-D): IC17.3 R56.2 R59.2 U9.61
Net-(IC17-Q): IC17.4 R55.2 R59.1
Net-(IC17-S): IC17.1 R58.2 U9.63
Net-(J2-VBUS): J2.1 R57.1
Net-(J9-Pin_2): J9.2 R65.1
Net-(J9-Pin_4): J9.4 R63.1
Net-(J9-Pin_10): J9.10 R77.1
Net-(LED1-A): LED1.2 PS1.35
Net-(LED1-K): LED1.1 R3.2
Net-(PS1-SS): C2.1 PS1.37
Net-(Q1-C): Q1.3 T1.15
Net-(Q2-B): Q2.1 R72.2 R73.2 R74.2 R75.1
Net-(Q2-C): Q2.3 T1.13
Net-(R66-Pad2): R66.2 T1.14
Net-(R69-Pad2): R69.2 T1.16
Net-(T1-CD1): C149.1 T1.12
Net-(T1-CD2): C150.1 T1.6
Net-(T1-CD3): C151.1 T1.1
Net-(T1-CD4): C152.1 T1.7
Net-(U7A-+): C68.1 R24.2 U7.11
Net-(U7A--): R28.1 U7.12
Net-(U7B-+): C76.1 R40.2 U7.2
Net-(U7B--): R44.1 U7.1
Net-(U7C-+): C69.1 R25.2 U7.4
Net-(U7C--): R29.1 U7.5
Net-(U7D-+): C77.1 R41.2 U7.9
Net-(U7D--): R45.1 U7.8
Net-(U8A-+): C70.1 R26.2 U8.11
Net-(U8A--): R30.1 U8.12
Net-(U8B-+): C78.1 R42.2 U8.2
Net-(U8B--): R46.1 U8.1
Net-(U8C-+): C71.1 R27.2 U8.4
Net-(U8C--): R31.1 U8.5
Net-(U8D-+): C79.1 R43.2 U8.9
Net-(U8D--): R47.1 U8.8
Net-(U9-REF): R61.1 U9.6
Net-(U9-~{RESET}): C135.1 R60.2 U9.14

Pads without a net: IC1 1 5 8; IC2 1 3 5 7 8; IC3 4; IC4 1 5 8; IC5 1 5 8; IC6 1 5 8; IC7 1 5 8; IC9 1 5 8; IC10 1 5 8; IC11 1 5 8; IC12 1 5 8; IC15 6 7 8 10 11 12 13 14 20 21 22 23 33 65 66 69 70 93 96 97 98 99 100 101 102 110 111 116 123 124 125 126 127 129 131 132 133 134 135 140 141; IC16 1 7 9 16 22 30; J9 6 7 8; PS1 1 2 3 4 5 6 7 15 16 25 26 27 30 31 38 39 40 42 43 44; U7 13 16; U8 13 16; U9 34 36 40 41 43 44 45 46 48 49 50 52 53 54 55 57 58 59 60

## Via types
v1: diameter 0.6, hole 0.3, Top to Bottom, 475 vias
v2: diameter 1, hole 0.5, Top to Bottom, 5 vias

## Routing (per net, layer and track width the routed paths; a pad name or vN(x,y) marks a point on that pad's centre or on a via; arc(x,y) is an arc through that point)
2.5V_REF: length 116.6
  Top w0.15: v1(38.27,22.4) 38.08,22.2 C59.1 37.25,23.05 v1(36.7,23.6) 36.23,24.08 IC13.17
  Top w0.152: IC8.17 36.02,37.71 36.98,36.76 36.98,35.85 36.98,35.85 C40.1 36.98,34.27 37.75,33.5 v1(38.27,33.5)
  Top w0.203: v1(38.6,52.9) 38.6,54.42
  Top w0.254: v1(28.55,60.58) 28.67,60.46 R1.1 30.25,59.68 33.23,59.68 34.92,57.98 34.92,56.58 35.67,55.83 35.72,55.87 36.85,55.87 ; IC14.1 36.23,83.43 36.62,83.83 v1(37.25,83.83)
  Top w0.762: 38.65,55.05 C20.1 ; 38.65,55.05 37.83,55.87 ; 38.65,55.05 38.65,56.97 39.25,57.57 38,56.32 ; 38,56.32 37.55,55.87 ; 38,56.32 38.55,55.77 C21.1
  In2.Cu w0.15: 2.5V.1 30.75,18.62 33.63,21.5 33.85,21.5 v1(34.25,21.9)
  Bottom w0.15: v1(34.25,21.9) 34.75,22.4 34.75,23.38 35.54,24.17 36.13,24.17 v1(36.7,23.6)
  Bottom w0.203: v1(38.27,22.4) 38.27,34.4 38.6,34.73 v1(38.6,52.9)
  Bottom w0.254: v1(28.55,60.58) 31.18,60.58 37.25,66.65 v1(37.25,83.83)
+1.1V_ETH: length 106.4
  Top w0.15: 1.1V.1 102.75,40.4 v1(93.62,40.4)
  Top w0.152: v1(90.65,51.05) 90.68,51.08 90.68,53.18 ; v1(68,11.93) 67.8,11.72 IC16.58 67.8,9.36 ; v1(62.55,15.61) 62.49,15.67 IC16.42 59.85,15.67 59.6,15.42 C130.2 ; v1(71.05,16.15) 71.07,16.17 IC16.8 C128.2 ; v1(64.8,20.95) 64.8,20.95 IC16.29 64.8,23 64.33,23.48
  Top w0.508: 90.68,53.18 89.68,54.18 C23.1 86.93,54.18
  In2.Cu w0.152: v1(71.05,16.15) 71.05,14.77 68.2,11.93 v1(68,11.93) 64.31,15.61 v1(62.55,15.61) 62.55,15.61 64.8,17.86 v1(64.8,20.95) 65.88,20.95 79.75,34.83 88.47,34.83 93.62,39.98 v1(93.62,40.4) 93.62,44.95 90.65,47.93 v1(90.65,51.05)
+1.8VD: length 130.4
  Top w0.15: C148.2 80.92,95.65 1.8V.1
  Top w0.152: 68.3,11.2 68.63,11.52 ; 68.63,11.52 68.8,11.35 IC16.60 68.8,11.7 v1(68.99,11.89) 68.63,11.52 ; C146.2 U9.12 90.61,94.84 v1(90.6,94.85) ; 71.12,9.39 70.8,9.71 IC16.64 70.8,11.77 v1(70.8,11.77) ; v1(96.08,72.48) 98.53,70.03 U2.2 ; C133.2 73.82,23.62 72.36,22.16 IC16.17 70.8,21 v1(70.8,21) ; v1(74.5,8.63) 74.47,8.6 R74.1 ; v1(67.16,11.87) 67.3,11.73 IC16.57 67.3,9.77 66.78,9.24 ; R52.1 64.29,26.66 v1(64.27,26.68) ; C148.2 81.73,94.84 U9.37 83.52,94.84 v1(83.53,94.85) ; 90.82,87.54 U9.64 90.82,89.29 v1(90.63,89.49) ; C127.2 59.6,16.37 59.8,16.17 IC16.41 62.29,16.17 v1(62.54,16.41) ; 67.8,24.03 IC16.23 v1(67.8,21.06) ; 65.17,6.01 v1(65.17,4.83)
  Top w0.2: IC15.54 v1(63.05,45.26) ; IC15.45 v1(58.55,45.26) ; v1(87.22,63.83) C9.1
  Top w0.254: IC15.45 58.55,43.31 58.37,43.13 C90.2 ; 75.85,58.64 v1(76.66,57.83) ; 63.05,42.71 IC15.54
  Top w0.762: U2.2 v1(94.92,64.23) U2.2 90.92,64.23 90.53,63.83 C9.1
  In2.Cu w0.152: v1(83.53,94.85) v1(90.6,94.85) 90.02,94.27 90.02,90.09 v1(90.63,89.49) 90.63,75.35 93.5,72.48 v1(96.08,72.48)
  In2.Cu w0.2: v1(58.55,45.26) 59.15,45.86 62.45,45.86 v1(63.05,45.26) 64.08,45.26 v1(76.66,57.83) 82.62,63.8 87.2,63.8 v1(87.22,63.83)
+1.25V_VCOM: length 150
  Top w0.15: C5.1 41.29,63.53 41.29,72.11 1.25V.1
  Top w0.203: 33.52,27.35 34.08,27.35 34.48,26.95 ; 34.48,25.9 34.48,25.95 34.08,26.35 33.52,26.35 ; 34.48,25.9 34.48,26.95 ; 34.48,25.9 34.48,25.65 34.2,25.38 33.55,25.38 ; IC8.10 34.01,40 34.23,40.22 34.23,40.35 ; 34.23,41.2 34.23,41.35 34.05,41.52 34.05,42.17 ; 34.23,41.2 34.02,41 IC8.8 ; 34.23,41.2 34.23,40.35 ; IC8.12 32.92,39 v1(32.33,38.4) ; 34.48,26.95 34.48,27.75 34.27,27.95 34.27,28.5 ; 34.23,40.35 34.23,39.22 34.03,39.03 33.35,39.03 ; v1(32.3,24.93) 32.73,25.35 33.52,25.35
  Top w0.508: v1(19.9,27.55) 19.13,26.78 IC9.3 ; v1(19.9,34.3) 19.15,33.55 IC7.3 ; C5.1 39.07,62.11 IC1.6 34.32,62.11 33.05,63.38 IC1.2 25.48,63.38 19.95,57.85 19.95,52.65 v1(19.9,52.6) 19.2,53.3 IC4.3 ; IC5.3 19.28,40.13 v1(19.9,40.75) ; IC10.3 19.28,13.88 v1(19.9,14.5) ; v1(19.85,7.85) 19.28,7.28 IC12.3 ; IC6.3 19.18,46.63 v1(19.9,47.35) ; v1(19.9,21) 19.13,20.23 IC11.3
  Bottom w0.203: 32.3,25.1 32.3,38.55 ; v1(32.3,24.93) 28.5,21.12 28.5,16.5 v1(19.85,7.85)
  Bottom w0.508: v1(19.85,7.85) 19.9,7.9 v1(19.9,14.5) v1(19.9,21) v1(19.9,27.55) v1(19.9,34.3) v1(19.9,40.75) v1(19.9,47.35) v1(19.9,52.6)
